# Altium PCB 11BRANMB10H3_20171027.pcbdoc (part 2 of 7)
Units mm, origin at the board's own origin, x right, y up, seen from the top; angles counter-clockwise.
Board outline 91.65 x 48.25 mm, 6 copper layers (TOP, GND1, Singal, POWER, GND2, BOTTOM), stack 0.8 mm thick; 370 components, 289 nets, 1421 pads, 963 vias.
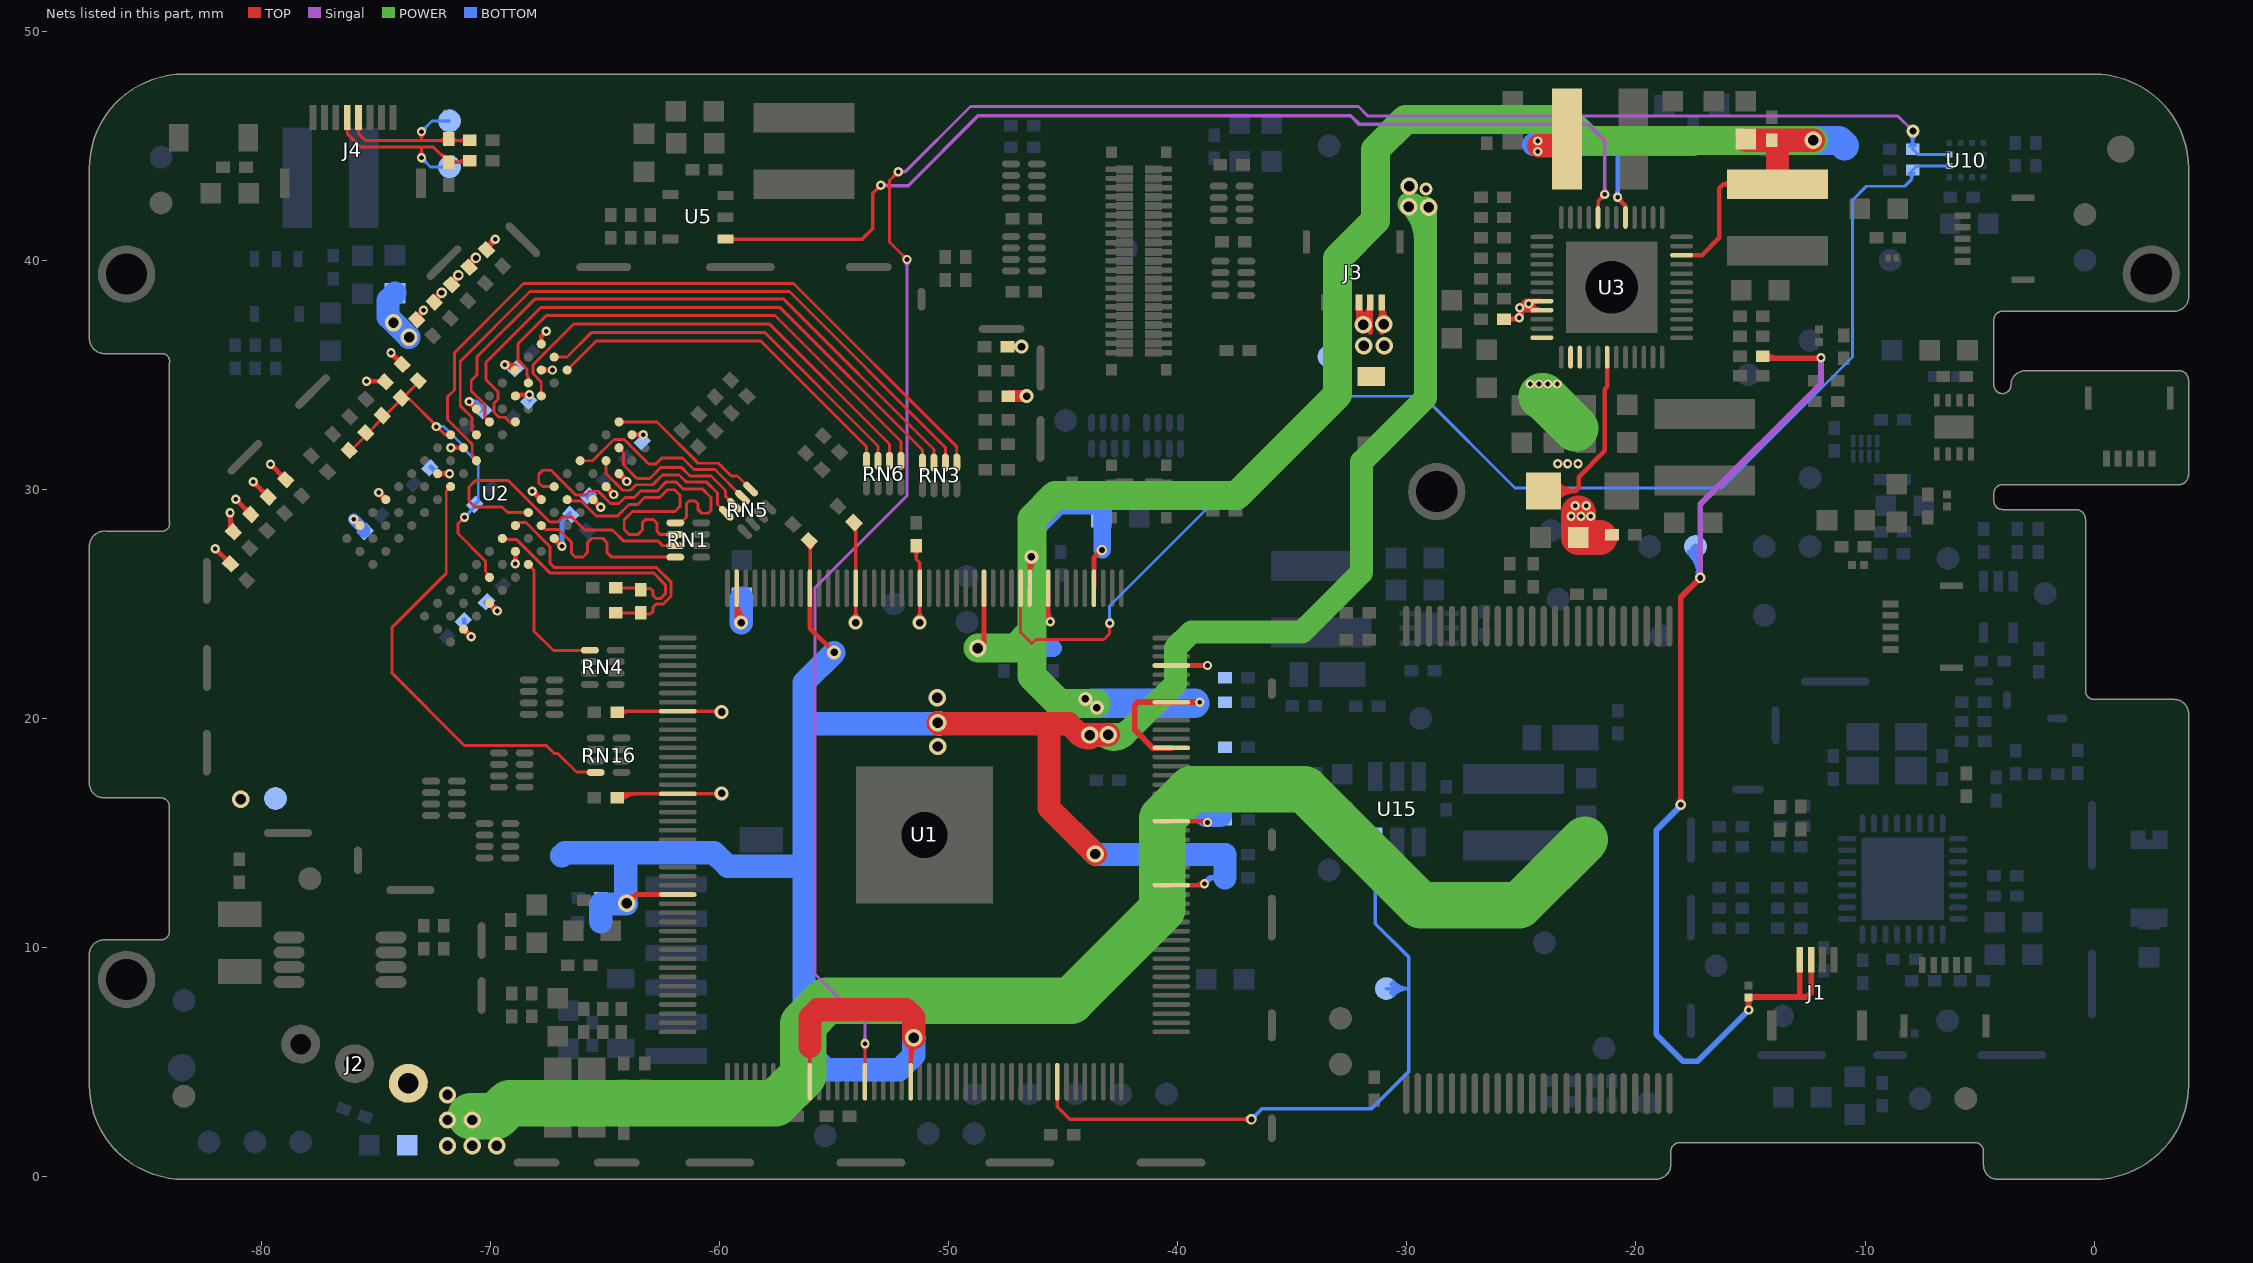
[diagram p6: the nets of this part, all layers, seen from the top]

## Via types
v1: diameter 0.406, hole 0.203, TOP to BOTTOM, tented both sides, 429 vias
v2: diameter 0.457, hole 0.254, TOP to BOTTOM, tented both sides, 256 vias
v3: diameter 0.559, hole 0.305, TOP to BOTTOM, tented both sides, 186 vias
v4: diameter 0.762, hole 0.457, TOP to BOTTOM, tented both sides, 69 vias
v5: diameter 0.61, hole 0.33, TOP to BOTTOM, tented both sides, 11 vias
v6: diameter 0.5, hole 0.2, TOP to BOTTOM, 9 vias
v7: diameter 0.559, hole 0.051, TOP to BOTTOM, tented both sides, 2 vias
v8: diameter 0.508, hole 0.254, TOP to BOTTOM, tented both sides, 1 vias

## Nets (pads, with @x,y where several pads share a name; then routed paths per layer and width w, separated by ;. In a path a pad name is that pad's centre, name@x,y a point inside that pad or via, vN(x,y) a via of type N, cw(c..) or ccw(c..) an arc to the next point about the centre after c; other vN are vias at no path point) (continued)
BAT: C41.2 C42.2 C45.1 J2.1 R11.1 TP10.1 U3.38 U3.39 U3.42 | length 77.5
  TOP w0.203: R11.1@-24.164,29.929 R11.1@-24.037,29.929 -22.632,29.929 ; R11.1@-23.687,29.638 cw(c-23.066,29.12) -23.066,29.929 cw(c-23.066,30.738) R11.1@-23.687,30.22 ; R11.1@-23.531,29.508 cw(c-22.632,28.759) -22.632,29.929 ; R11.1@-23.531,30.35 ccw(c-22.632,31.099) -22.632,29.929 ; U3.42@-21.257,35.769 -21.257,34.478 -21.362,34.373 -21.362,31.675 -22.505,30.532 -22.505,30.056 -22.632,29.929
  TOP w0.508: R11.1@-24.037,29.417 R11.1@-24.037,29.929
  TOP w1.524: v1@-22.502,28.977 -22.502,27.913 C45.1@-22.518,27.897 -21.565,27.897
  POWER w2.032: v4@-70.866,2.624 -69.774,2.624 -69.198,3.2 -57.565,3.2 -56.349,4.416 -56.349,6.665 -55.335,7.679 -44.665,7.679 -40.675,11.668 -40.675,15.645 -39.422,16.898 -34.461,16.898 -29.393,11.83 -25.101,11.83 -22.236,14.694 ; -24.105,34.069 -24.054,34.069 -22.648,32.663
  other v1: -22.833,28.829 -22.401,28.829 -21.97,28.829 -22.655,29.286 -22.173,29.286 -23.417,31.115 -22.986,31.115 -22.528,31.115 -24.613,34.595 -24.232,34.595 -23.849,34.595 -23.443,34.595
  other v4: -71.89,1.346 -70.81,1.346 -69.731,1.346 -71.89,2.464 -70.81,2.464 -71.89,3.556
BOOST_EN: R190.1 TP14.1 U1.125 U15.3 | length 35
  TOP w0.127: U1.125@-45.265,4.013 U1.125@-45.265,4.133
  TOP w0.152: U1.125@-45.265,4.013 -45.265,3.045 -44.716,2.497 -36.799,2.497 v2(-36.791,2.489) ; -37.178,2.497 cw(c-37.178,2.102) v2@-36.899,2.381 ; -37.14,2.497 ccw(c-37.14,2.838) v2@-36.899,2.597
  BOTTOM w0.152: v2(-36.791,2.489) -36.315,2.965 -31.535,2.965 -29.922,4.579 -29.922,8.204 ; v2@-36.791,2.642 ccw(c-36.791,3.01) -36.531,2.749 ccw(c-36.271,2.489) v2@-36.639,2.489 ; U15.3@-31.55,14.119 cw(c-31.962,13.708) -31.38,13.708 cw(c-30.797,13.708) U15.3@-31.209,14.119 ; R190.1@-31.52,13.106 cw(c-31.859,12.767) -31.38,12.767 ; R190.1@-31.52,13.352 ccw(c-31.859,13.691) -31.38,13.691 ; -31.38,12.852 cw(c-31.019,12.852) R190.1@-31.274,13.106 ; -31.38,13.606 ccw(c-31.019,13.606) R190.1@-31.274,13.352 ; U15.3@-31.38,14.608 -31.38,11.036 -29.922,9.578 -29.922,8.204 ; TP14.1@-30.896,8.204 -29.922,8.204 ; TP14.1@-30.703,8.387 ccw(c-30.277,8.793) -30.277,8.204 ; TP14.1@-30.701,8.016 cw(c-30.27,7.618) -30.27,8.204 ; TP14.1@-30.593,8.492 ccw(c-29.922,9.131) -29.922,8.204 ; TP14.1@-30.589,7.912 cw(c-29.922,7.296) -29.922,8.204
BUTTON: D2.1 J1.1 J1.2 R22.2 TP31.1 | length 53.3
  TOP w0.254: v2@-18.118,16.302 ccw(c-18.291,16.476) -18.046,16.476 ccw(c-17.801,16.476) v2@-17.974,16.302 ; v2(-18.046,16.231) -18.046,25.283 v2(-17.196,26.132) ; v2@-17.298,26.132 cw(c-17.543,26.132) -17.37,25.959 cw(c-17.196,25.786) v2@-17.196,26.031 ; -15.088,7.481 ccw(c-14.857,7.481) v1@-15.02,7.318 ; D2.1@-15.088,7.812 -15.088,7.278 v1(-15.074,7.264) ; D2.1@-15.088,7.831 -12.548,7.831 -12.35,8.029 J1.2@-12.35,9.35 ; D2.1@-15.074,7.736 D2.1@-15.074,7.824 ; R22.2@-14.461,35.817 -14.364,35.72 v1@-11.942,35.72 ; R22.2@-14.324,35.904 ccw(c-13.881,36.346) -13.881,35.72 ; -12.85,7.879 J1.1@-12.85,9.35 ; -12.15,35.72 ccw(c-12.15,35.964) v1@-11.978,35.792
  Singal w0.254: v2@-17.268,26.204 ccw(c-17.441,26.378) -17.196,26.378 ccw(c-16.951,26.378) v2@-17.124,26.204 ; v2(-17.196,26.132) -17.196,29.348 -11.924,34.62 v1(-11.924,35.738)
  BOTTOM w0.254: -18.255,15.97 ccw(c-18.515,16.231) v2@-18.147,16.231 ; v2@-18.02,16.205 -19.113,15.113 -19.113,6.198 -17.944,5.029 -17.309,5.029 v1(-15.074,7.264) ; TP31.1@-17.662,27.235 cw(c-18.769,26.117) v2@-17.196,26.117 ; TP31.1@-17.484,27.415 cw(c-18.166,26.726) -17.196,26.726 ; TP31.1@-17.4,27.5 -17.196,27.296 v2(-17.196,26.132) ; v2@-17.284,26.183 ccw(c-17.485,26.299) -17.261,26.359 ; v2@-17.268,26.204 ccw(c-17.441,26.378) -17.196,26.378 ccw(c-16.951,26.378) v2@-17.124,26.204 ; -17.266,26.377 ccw(c-17.016,26.444) v2@-17.145,26.22
CAS: RN16.4 U2.K3 | length 19.9
  TOP w0.127: U2.K3@-71.755,30.117 -71.944,29.928 -71.944,26.338 -74.306,23.976 -74.306,21.969 -71.156,18.819 -67.576,18.819 -67.227,18.47 -67.073,18.47 -66.254,17.651 -65.43,17.651 RN16.4@-65.419,17.641
CHGLED: U3.36
CKE: RN4.1 U2.K9 | length 5.8
  TOP w0.127: U2.K9@-68.361,26.722 -68.108,26.47 -68.108,23.801 -67.803,23.496 -67.659,23.353 -67.267,22.96 -66.099,22.96 -66.085,22.973 RN4.1@-65.676,22.973
CORE-VDD: C28.2 C29.2 C30.2 C49.1 C55.1 C56.1 C117.1 L4.2 TP9.1 U1.35 U1.73 U1.98 U1.109 U1.149 U3.17 | length 144.3
  TOP w0.152: C49.1@-56.183,27.603 cw(c-56.497,27.289) -56.053,27.289 ; U1.98@-56.065,4.133 -56.065,5.672 ; U1.35@-56.065,25.683 -56.053,25.694 C49.1@-56.053,27.719 ; -56.053,27.324 cw(c-55.658,27.324) C49.1@-55.937,27.603
  TOP w0.203: v4(-64.057,11.919) -63.668,12.308 ; v4@-64.015,12.195 ccw(c-63.953,12.593) -63.668,12.308 ; v4@-63.781,11.961 cw(c-63.383,12.023) -63.668,12.308 ; U1.73@-61.84,12.308 -63.668,12.308 ; U1.35@-56.065,25.683 -56.065,23.938 v5(-55.007,22.881) ; v4@-51.735,5.855 cw(c-51.903,5.687) -51.665,5.687 ; U1.109@-51.665,4.133 -51.665,5.925 v4(-51.537,6.053) ; -51.665,5.07 cw(c-50.554,5.07) v4@-51.339,5.855 ; -51.665,5.56 cw(c-51.044,5.56) v4@-51.483,5.999 ; U1.149@-40.29,12.708 v1@-38.913,12.708 ; -39.266,12.708 ccw(c-39.266,13.213) v1@-38.909,12.856 ; v1(-20.803,42.756) -20.803,42.715 -20.457,42.369 U3.17@-20.457,41.869 ; v1@-20.701,42.756 ccw(c-20.358,42.756) -20.601,42.513 ; -20.525,42.437 cw(c-20.693,42.269) U3.17@-20.455,42.269
  TOP w1.016: -56.065,5.672 -56.065,6.935 -55.728,7.272 -51.867,7.272 -51.537,6.942 v4(-51.537,6.053) ; v4(-50.477,19.812) -50.435,19.769 -44.766,19.769 -44.282,19.285 v4(-43.039,19.285) ; -45.632,19.706 -45.632,16.099 v4(-43.61,14.078) ; -44.348,19.35 ccw(c-43.852,19.846) v4@-43.852,19.145 ; -24.257,45.002 -23.309,45.002 L4.2@-23.015,45.296
  POWER w1.016: v4(-43.852,19.272) -43.839,19.285 v4(-43.039,19.285) -42.318,19.285 ; v4@-43.1,19.173 ccw(c-42.783,19.75) -42.318,19.284 ; v4@-43.039,19.158 ccw(c-43.039,20.592) -42.025,19.578 ; v4@-29.895,42.466 cw(c-30.064,41.603) -29.185,41.603 ; v4@-29.83,42.431 cw(c-31.387,40.874) -29.185,40.874 ; v4@-29.185,42.27 -29.185,33.993 -31.979,31.199 -31.979,26.373 -34.578,23.774 -39.404,23.774 -40.107,23.071 -40.107,21.495 -42.318,19.285
  BOTTOM w0.203: v1@-20.875,42.828 ccw(c-21.048,43.001) -20.803,43.001 ccw(c-20.558,43.001) v1@-20.731,42.828 ; v1(-20.803,42.756) -20.803,44.912
  BOTTOM w0.254: v1(-38.837,12.784) -38.583,13.038 C28.2@-37.94,13.038 ; C28.2@-38.077,12.951 ccw(c-38.287,12.741) -38.287,13.038 ccw(c-38.287,13.335) C28.2@-38.077,13.125
  BOTTOM w0.508: C29.2@-65.183,12.166 -64.935,11.919 -64.108,11.919 v4(-64.057,11.919) ; -56.074,5.672 -56.074,8.047
  BOTTOM w1.016: TP9.1@-66.9,14 -66.769,14.131 -60.252,14.131 -59.662,13.54 -56.997,13.54 -56.992,13.546 -56.328,13.546 ; C117.1@-65.201,11.121 -65.201,11.895 v4@-64.081,11.895 ; v4@-64.108,11.919 -64.108,14.097 ; v5@-55.01,22.876 -56.328,21.558 -56.328,19.769 ; v4(-51.537,6.053) -51.537,5.291 -52.172,4.656 -55.347,4.656 -56.328,5.637 -56.328,13.546 ; v4(-50.477,19.812) -50.437,19.812 -50.394,19.769 -56.328,19.769 ; v4@-43.577,14.054 C30.2@-37.94,14.054 C28.2@-37.94,13.038 ; -24.472,45.05 C56.1@-17.501,45.05 ; -56.328,13.546 -56.328,19.769
  other v1: -24.294,44.748 -24.294,45.205
  other v3: -29.169,43.117
  other v4: -50.477,18.77 -50.503,20.904 -29.056,42.316 -29.92,42.342 -29.894,43.231
CPU-VDD: C20.2 C21.2 C22.2 C23.2 C24.2 C25.2 C26.2 C27.2 C46.1 C48.1 L2.2 TP8.1 U1.4 U1.9 U1.11 U1.16 U1.156 U1.164 U1.169 U1.173 U3.10 | length 110.7
  TOP w0.203: -48.465,23.333 U1.16@-48.465,25.683 ; v5@-46.54,26.903 cw(c-46.723,26.721) -46.465,26.721 ; U1.11@-46.465,25.683 -46.465,27.047 v5(-46.397,27.047) ; U1.11@-46.465,26.392 cw(c-45.742,26.392) v5@-46.253,26.903 ; -45.665,24.693 ccw(c-45.089,24.693) v1@-45.496,24.286 ; U1.9@-45.665,25.683 -45.665,24.311 v1(-45.568,24.214) ; U1.4@-43.665,25.683 -43.665,27.003 v2(-43.318,27.349) ; v2@-43.445,27.349 cw(c-43.752,27.349) -43.535,27.132 cw(c-43.318,26.916) v2@-43.318,27.222 ; U1.156@-40.29,15.508 v1@-38.767,15.508 ; U1.173@-40.29,22.308 v1@-38.711,22.308 ; -39.092,15.508 cw(c-39.092,15.069) v1@-38.782,15.379 ; -38.958,22.308 ccw(c-38.958,22.557) v1@-38.782,22.381 ; -38.953,22.308 cw(c-38.953,22.067) v1@-38.782,22.237 ; U3.10@-18.007,40.219 -17.117,40.219 -16.358,40.978 -16.358,43.137 -16.178,43.317 ; L2.2@-15.877,43.113 ccw(c-16.178,42.993) -16.178,43.317 ; L2.2@-15.877,43.521 cw(c-16.178,43.641) -16.178,43.317 ; L2.2@-13.818,43.317 -16.178,43.317
  TOP w0.254: U1.164@-40.29,18.708 -41.095,18.708 -41.885,19.498 -41.885,20.581 -41.758,20.708 U1.169@-40.29,20.708 v1(-39.041,20.708)
  TOP w1.016: C46.1@-15.16,45.241 C48.1@-14.072,45.241 -13.818,45.241 ; L2.2@-13.818,43.317 -13.818,45.241 ; v4@-12.262,45.241 -13.818,45.241
  POWER w1.27: v4(-48.735,23.063) -47.1,23.063 -46.371,23.792 ; v5@-43.577,20.646 -45.175,20.646 -46.371,21.842 -46.371,23.792 ; v4(-12.254,45.233) -22.105,45.233 -23.018,46.145 -30.062,46.145 -31.38,44.827 -31.38,41.733 -33.032,40.081 -33.032,34.131 -37.437,29.726 -45.362,29.726 -46.371,28.716 -46.371,23.792
  BOTTOM w0.762: C23.2@-47.6,23.063 C21.2@-46.457,23.063 ; C22.2@-45.441,23.063 C21.2@-46.457,23.063 ; v2@-43.307,27.349 -43.307,29.282 -45.178,29.282 -46.397,28.063 v5(-46.397,27.047) -46.397,23.123 C21.2@-46.457,23.063
  BOTTOM w1.016: -39.256,16.251 -38.761,15.756 C24.2@-38.151,15.756
  BOTTOM w1.27: v5@-43.729,20.658 -39.268,20.658 ; -39.268,20.646 -39.268,20.658 ; -39.256,20.658 -39.268,20.658 ; v4(-12.254,45.233) -11.133,45.233 TP8.1@-10.9,45
  other v1: -38.71,15.451 -38.71,22.309
  other v5: -43.536,20.468 -44.044,20.849
D+: D7.1 J4.5 R158.1 TP53.1 | length 11
  TOP w0.127: J4.5@-75.829,45.769 cw(c-75.977,45.621) -75.768,45.621 cw(c-75.559,45.621) J4.5@-75.707,45.769 ; J4.5@-75.768,46.23 -75.768,45.528 -75.471,45.231 -73.024,45.231 ; v1@-73.122,45.519 cw(c-73.361,45.281) -73.024,45.281 cw(c-72.686,45.281) v1@-72.925,45.519 ; v1(-73.024,45.618) -73.024,45.231 ; -72.314,45.231 ccw(c-72.314,45.711) D7.1@-71.974,45.371 ; -72.272,45.231 cw(c-72.272,44.811) D7.1@-71.974,45.108 ; D7.1@-71.711,45.108 cw(c-71.414,44.811) -71.414,45.231 ; D7.1@-71.711,45.371 ccw(c-71.371,45.711) -71.371,45.231 ; R158.1@-71.102,45.099 ccw(c-71.42,44.781) -71.42,45.231 ccw(c-71.42,45.681) R158.1@-71.102,45.363 ; R158.1@-70.92,45.231 -73.024,45.231
  BOTTOM w0.127: v1(-73.024,45.618) -72.565,46.077 TP53.1@-71.8,46.077 ; v1@-73.024,45.758 ccw(c-73.024,46.095) -72.785,45.857 ccw(c-72.547,45.618) v1@-72.884,45.618
D-: D8.1 J4.4 R157.1 TP52.1 | length 12.2
  TOP w0.127: J4.4@-76.329,45.769 cw(c-76.477,45.621) -76.268,45.621 cw(c-76.059,45.621) J4.4@-76.207,45.769 ; J4.4@-76.268,46.23 -76.268,45.528 -75.692,44.951 -73.024,44.951 ; v1@-73.122,44.574 ccw(c-73.361,44.812) -73.024,44.812 ccw(c-72.686,44.812) v1@-72.925,44.574 ; v1(-73.024,44.475) -73.024,44.951 ; -72.246,44.687 ccw(c-71.843,45.09) D8.1@-71.843,44.519 ; -72.126,44.566 cw(c-72.359,44.333) D8.1@-72.029,44.333 ; D8.1@-71.711,44.151 cw(c-71.392,43.833) -71.392,44.283 cw(c-71.392,44.733) D8.1@-71.711,44.415 ; -71.562,44.283 ccw(c-71.562,44.934) R157.1@-71.102,44.474 ; -71.278,44.283 cw(c-71.278,44.034) R157.1@-71.102,44.21 ; -71.256,44.283 ccw(c-71.256,44.627) R157.1@-71.012,44.384 ; R157.1@-70.92,44.342 -70.979,44.283 D8.1@-71.843,44.283 -72.511,44.951 -73.024,44.951
  BOTTOM w0.127: v1@-73.024,44.335 cw(c-73.024,43.998) -72.785,44.237 cw(c-72.547,44.475) v1@-72.884,44.475 ; v1(-73.024,44.475) -72.626,44.077 TP52.1@-71.8,44.077
DCIN-5V: D5.1 J3.1 J3.2 J3.3 R14.2 TP32.1 U3.32 U3.33 | length 15.4
  TOP w0.203: R14.2@-25.764,37.422 -25.165,37.422 v1(-25.096,37.49) -24.994,37.593 -24.994,38.057 -24.832,38.219 U3.32@-24.107,38.219 ; R14.2@-25.609,37.317 cw(c-25.356,37.064) -25.356,37.422 cw(c-25.356,37.78) R14.2@-25.609,37.527 ; R14.2@-25.506,37.422 ccw(c-25.506,37.9) -25.168,37.562 ccw(c-25.589,37.983) v1@-24.994,37.983 ; v1@-25.127,37.839 cw(c-25.304,37.584) v1@-24.994,37.584 ; v1@-24.997,37.994 ccw(c-24.574,38.416) U3.33@-24.574,37.819 ; v1@-24.988,37.819 U3.33@-24.107,37.819 cw(c-24.107,38.349) v1@-24.594,38.14 ; v1@-24.967,37.922 cw(c-24.575,37.922) v1@-24.852,38.199 ; -24.902,38.113 cw(c-24.731,38.014) v1@-24.641,38.19 ; v1@-24.786,38.075 ccw(c-24.421,38.167) U3.33@-24.521,37.804 ; v1@-24.781,38.06 ccw(c-24.415,38.217) U3.33@-24.415,37.819 ; v1@-24.616,38.028 cw(c-24.154,37.567) U3.32@-24.154,38.219
  TOP w0.254: v4@-32.1,37.083 J3.3@-32.1,38.15 ccw(c-31.084,38.15) v4@-31.745,37.378 ; -32.1,37.598 ccw(c-31.557,37.598) v4(-31.91,37.185) ccw(c-32.208,37.716) -31.6,37.716 ; v4@-32.035,37.407 ccw(c-32.453,38.15) J3.2@-31.6,38.15 -31.6,36.865 ; v4@-31.201,37.39 ccw(c-31.443,37.633) -31.1,37.633 ; v4@-31.1,36.857 J3.1@-31.1,38.15 ; J3.1@-31.1,38.015 ccw(c-30.217,38.015) v4@-30.841,37.39
  other v1: -25.068,37.922 -24.687,38.1
  other v4: -31.885,36.271 -30.996,36.271 -31.021,37.211
DQ0: RN3.4 U2.E3 | length 26.8
  TOP w0.127: U2.E3@-68.927,32.945 -69.182,32.945 -69.383,33.146 -69.644,33.146 -69.858,33.359 -69.858,33.76 -69.693,33.925 -69.693,34.268 -70.216,34.792 -70.216,35.533 -67.803,37.946 -57.38,37.946 -51.155,31.72 RN3.4@-51.155,31.169
DQ1: RN1.1 U2.F7 | length 13.4
  TOP w0.127: U2.F7@-67.23,30.117 -67.747,30.117 -67.905,30.275 -67.905,30.656 -67.727,30.834 -67.371,30.834 -66.289,29.751 -65.849,29.751 -65.684,29.916 -65.306,29.916 -64.776,29.386 -64.4,29.386 -64.146,29.64 -63.739,29.64 -63.46,29.919 -62.749,29.919 -62.342,30.326 -61.911,30.326 -61.606,30.021 -60.768,30.021 -60.387,29.64 -60.387,29.081 -60.514,28.954 -60.793,28.954 -60.945,29.106 -60.945,29.358 -61.072,29.485 -61.354,29.485 -61.453,29.386 -61.453,28.789 -61.707,28.536 RN1.1@-61.942,28.536
DQ2: RN3.3 U2.F2 | length 27.6
  TOP w0.127: U2.F2@-70.058,32.945 -70.263,33.15 -70.258,33.359 -70.258,33.702 -70.851,34.295 -70.851,34.745 -70.597,34.999 -70.597,35.786 -68.083,38.301 -57.212,38.301 -50.654,31.744 RN3.3@-50.654,31.169
DQ3: RN1.2 U2.F8 | length 12.7
  TOP w0.127: U2.F8@-66.664,29.551 -66.611,29.497 -66.061,29.497 -65.39,28.827 -64.476,28.827 -63.968,29.335 -63.587,29.335 -63.282,29.64 -62.622,29.64 -62.28,29.982 -61.973,29.982 -61.733,29.741 -61.733,29.259 -61.961,29.03 -63.816,29.03 -64.171,28.675 -64.171,28.243 -63.964,28.036 -63.566,28.036 -63.384,28.217 -63.384,28.548 -63.257,28.675 -62.902,28.675 -62.749,28.522 -62.749,28.163 -62.622,28.036 RN1.2@-61.942,28.036
DQ4: RN3.1 U2.H3 | length 32.2
  TOP w0.127: U2.H3@-70.624,31.248 -70.624,31.301 -70.808,31.485 -70.808,31.971 -71.032,32.195 -71.885,33.048 -71.885,34.042 -71.588,34.339 -71.588,35.964 -68.565,38.987 -56.78,38.987 -49.654,31.862 RN3.1@-49.654,31.169
DQ5: RN1.4 U2.H8 | length 7.9
  TOP w0.127: U2.H8@-67.795,28.419 -67.619,28.243 -67.022,28.243 -66.483,27.704 -66.483,27.213 -66.318,27.049 -65.975,27.049 -65.785,27.239 -65.785,27.67 -65.594,27.862 -65.111,27.862 -64.933,27.684 -64.933,27.252 -64.717,27.036 RN1.4@-61.942,27.036
DQ6: RN3.2 U2.G2 | length 29.4
  TOP w0.127: U2.G2@-70.624,32.379 -70.824,32.58 -70.824,33.136 -71.334,33.646 -71.334,35.583 -68.286,38.631 -56.958,38.631 -50.155,31.828 RN3.2@-50.155,31.169
DQ7: RN1.3 U2.H7 | length 13.9
  TOP w0.127: U2.H7@-68.361,28.985 -69.257,28.985 -69.505,29.233 -70.699,29.233 -70.953,29.487 -70.953,30.097 -70.674,30.376 -69.226,30.376 -67.422,28.573 -67.067,28.573 -66.855,28.785 -66.465,28.785 -65.898,28.217 -64.679,28.217 -64.197,27.735 -62.691,27.735 -62.492,27.536 RN1.3@-61.942,27.536
DQ8: RN5.2 U2.D7 | length 8.7
  TOP w0.127: U2.D7@-66.098,31.248 -65.557,31.248 -64.626,32.179 -64.25,32.179 -64.17,32.174 -63.108,31.113 -62.792,31.113 -62.538,31.367 -61.631,31.367 -61.123,30.859 -60.211,30.859 RN5.2@-59.009,29.657
DQ9: RN6.2 U2.C3 | length 20.7
  TOP w0.127: U2.C3@-67.795,34.076 -67.795,34.691 -68.161,35.056 -68.161,35.434 -66.386,37.209 -57.821,37.209 -52.593,31.981 RN6.2@-52.593,31.246
DQ10: RN5.4 U2.C8 | length 7.4
  TOP w0.127: U2.C8@-64.967,31.248 -64.967,30.691 -64.236,29.96 -63.902,29.96 -63.663,30.199 -62.93,30.199 -62.499,30.63 -61.784,30.63 -61.479,30.326 -60.59,30.326 -60.106,29.841 -60.106,29.339 RN5.4@-59.716,28.95
DQ11: RN6.1 U2.C2 | length 22.3
  TOP w0.127: U2.C2@-68.361,34.642 -68.361,34.897 -68.415,34.951 -68.415,35.253 -68.819,35.658 -68.819,36.349 -68.523,36.642 -67.575,37.59 -57.593,37.59 -52.093,32.09 RN6.1@-52.093,31.246
DQ12: RN5.1 U2.A7 | length 7
  TOP w0.127: U2.A7@-64.401,32.945 -62.748,32.945 -60.942,31.138 -60.056,31.138 -59.498,30.58 -59.224,30.58 RN5.1@-58.655,30.011
DQ13: RN6.3 U2.A2 | length 17.3
  TOP w0.127: U2.A2@-67.23,35.773 -66.674,35.773 -65.594,36.853 -58.05,36.853 -53.093,31.896 RN6.3@-53.093,31.246
DQ14: RN5.3 U2.B8 | length 7
  TOP w0.127: U2.B8@-64.401,31.813 -64.201,31.613 -64.201,31.097 ; RN5.3@-59.362,29.304 -59.752,29.693 -59.752,29.945 -60.387,30.58 -61.301,30.58 -61.682,30.961 -62.571,30.961 -63.054,30.478 -63.623,30.478 -64.189,31.044 ; -64.201,31.097 -64.189,31.085 -64.189,31.044 ; -64.201,31.097 -64.189,31.044
DQ15: RN6.4 U2.A3 | length 16.1
  TOP w0.127: U2.A3@-66.664,35.207 -65.399,36.472 -58.21,36.472 -53.593,31.856 RN6.4@-53.593,31.246
DRAM-REF: C81.1 C83.2 C95.1 C96.1 R86.1 R90.2 U2.H1 U2.M8 | length 16
  TOP w0.127: C95.1@-76.145,31.657 -75.408,32.393 -75.408,32.419 C83.2@-74.697,33.13 ; C83.2@-74.697,33.181 C83.2@-74.697,33.13 ; R86.1@-73.122,34.705 -73.872,33.956 C81.1@-73.884,33.943 ; U2.H1@-71.755,32.379 -71.991,32.379 v1@-72.363,32.751 ; v1(-71.147,28.786) -71.436,28.497 -71.436,28.065 -70.234,26.863 -70.234,26.415 -70.058,26.239 U2.M8@-70.058,26.156 ; C83.2@-74.697,33.13 -74.672,33.155 C81.1@-73.884,33.943 ; C81.1@-73.884,33.943 -73.554,33.943 v1@-72.426,32.815 ; v1@-72.426,32.815 v1(-72.375,32.739) ; v1@-72.426,32.815 -72.426,32.789 v1(-72.375,32.739) ; v1@-72.426,32.815 v1@-72.363,32.751 ; v1(-72.375,32.739) v1@-72.363,32.751
  BOTTOM w0.127: v1(-72.375,32.739) -72.052,32.739 -71.307,31.994 -71.307,31.904 -70.547,31.144 C96.1@-70.547,29.487 ; C96.1@-70.739,29.193 -70.739,29.295 C96.1@-70.697,29.337 C96.1@-70.547,29.487 ; C96.1@-70.552,29.482 C96.1@-70.547,29.487
  BOTTOM w0.152: v1(-71.147,28.786) C96.1@-70.739,29.193 ; C96.1@-70.697,29.337 C96.1@-70.552,29.482
DRAM-VCC: C33.2 C34.2 C35.2 C36.2 C81.2 C82.1 C85.1 C86.1 C87.1 C88.1 C89.1 C90.1 C91.1 C92.1 C93.1 C94.1 C97.1 C98.1 C99.1 C100.1 C101.1 C102.1 C103.1 C104.1 C105.1 C106.1 C142.2 L13.1 R86.2 R89.2 TP49.1 U1.23 U1.30 U1.43 U1.53 U1.62 U2.A1 U2.A8 U2.B2 U2.C1 U2.C9 U2.D2 U2.D9 U2.E9 U2.F1 U2.G7 U2.H2 U2.H9 U2.K2 U2.K8 U2.N1 U2.N9 U2.R1 U2.R9 | length 102.7
  TOP w0.152: v2@-71.426,39.327 v2(-71.41,39.343) ; C36.2@-64.417,16.535 -64.417,16.569 -64.278,16.708 U1.62@-61.84,16.708 v5@-59.932,16.708 ; C33.2@-64.417,20.274 -64.383,20.308 U1.53@-61.84,20.308 -59.95,20.308 v5(-59.919,20.277) ; C36.2@-64.412,16.52 cw(c-63.959,16.067) -63.959,16.708 ; C36.2@-64.305,16.413 cw(c-63.592,15.699) -63.592,16.708 ; C33.2@-64.304,20.151 cw(c-63.925,19.771) -63.925,20.308 ; C33.2@-64.304,20.396 ccw(c-64.09,20.61) -64.09,20.308 ; v5@-54.229,24.338 ccw(c-54.626,24.735) -54.065,24.735 ; C34.2@-54.228,28.391 cw(c-54.615,28.005) -54.068,28.005 ; C34.2@-54.098,28.507 -54.068,28.477 -54.068,25.68 U1.30@-54.065,25.683 v5@-54.065,24.179 ; v5(-54.068,24.176) v5@-54.068,24.179 ; -54.068,28.185 cw(c-53.776,28.185) C34.2@-53.982,28.391 ; -54.065,24.722 ccw(c-53.522,24.722) v5@-53.906,24.338 ; C35.2@-51.543,27.367 cw(c-51.84,27.07) -51.42,27.07 cw(c-51.001,27.07) C35.2@-51.298,27.367 ; v5@-51.435,24.338 ccw(c-51.825,24.728) -51.274,24.728 ccw(c-50.722,24.728) v5@-51.112,24.338 ; C35.2@-51.42,27.48 -51.42,26.945 -51.274,26.798 v5@-51.274,24.303
  TOP w0.203: v1@-82.027,27.303 cw(c-82.027,27.058) -81.854,27.231 cw(c-81.681,27.405) v1@-81.926,27.405 ; v1(-82.027,27.405) C90.1@-81.407,26.785 ; C90.1@-81.549,26.778 ccw(c-81.907,26.778) -81.654,27.031 ccw(c-81.4,27.284) C90.1@-81.4,26.926 ; v1@-81.454,28.905 cw(c-81.627,28.732) -81.382,28.732 cw(c-81.137,28.732) v1@-81.31,28.905 ; v1@-81.382,28.795 ccw(c-80.653,28.795) C91.1@-81.168,28.279 ; C91.1@-81.342,28.243 C91.1@-81.28,28.182 ; v1@-81.342,28.937 v1(-81.382,28.977) -81.382,28.283 C91.1@-81.238,28.139 ; -81.335,28.618 cw(c-80.942,28.723) v1@-81.294,28.926 ; v1@-81.138,29.462 cw(c-81.138,29.217) -80.965,29.39 cw(c-80.792,29.564) v1@-81.037,29.564 ; v1(-81.138,29.564) C92.1@-80.518,28.944 ; C92.1@-80.66,28.937 ccw(c-81.018,28.937) -80.765,29.19 ccw(c-80.511,29.443) C92.1@-80.511,29.085 ; v1@-80.376,30.224 cw(c-80.376,29.979) -80.203,30.152 cw(c-80.03,30.326) v1@-80.275,30.326 ; v1(-80.376,30.326) C93.1@-79.756,29.706 ; C93.1@-79.898,29.699 ccw(c-80.256,29.699) -80.003,29.952 ccw(c-79.749,30.205) C93.1@-79.749,29.847 ; v1@-79.614,30.986 cw(c-79.614,30.741) -79.441,30.914 cw(c-79.268,31.088) v1@-79.513,31.088 ; v1(-79.614,31.088) C94.1@-78.994,30.468 ; C94.1@-79.136,30.461 ccw(c-79.494,30.461) -79.241,30.714 ccw(c-78.987,30.967) C94.1@-78.987,30.609 ; v1@-76.003,28.597 cw(c-76.044,28.331) U2.R1@-75.811,28.466 ; v1@-75.988,28.596 cw(c-75.988,28.351) -75.814,28.524 cw(c-75.641,28.698) v1@-75.886,28.698 ; v1(-75.988,28.698) -75.715,28.425 U2.R1@-75.715,28.419 ; v1@-75.887,28.712 ccw(c-75.614,28.752) U2.R1@-75.752,28.513 ; v1@-75.887,28.596 cw(c-76.064,28.419) U2.R1@-75.813,28.419 ; v1@-75.874,28.584 ccw(c-75.715,28.743) U2.R1@-75.715,28.518 ; v1(-75.424,34.715) -74.671,34.715 C81.2@-74.651,34.735 ; v1@-75.352,34.643 cw(c-75.179,34.47) -75.179,34.715 cw(c-75.179,34.96) v1@-75.352,34.787 ; v1@-74.916,29.762 cw(c-74.994,29.402) U2.N1@-74.675,29.586 ; v1@-74.894,29.76 cw(c-74.894,29.514) -74.721,29.688 cw(c-74.547,29.861) v1@-74.793,29.861 ; v1(-74.894,29.861) U2.N1@-74.584,29.551 ; v1@-74.795,29.883 ccw(c-74.434,29.962) U2.N1@-74.619,29.642 ; U2.N1@-74.682,29.551 ccw(c-74.92,29.551) -74.752,29.719 ccw(c-74.584,29.887) U2.N1@-74.584,29.649 ; v1@-74.386,35.869 cw(c-74.508,35.414) R86.2@-74.1,35.65 ; v1@-74.36,35.866 cw(c-74.36,35.621) -74.186,35.794 cw(c-74.013,35.967) v1@-74.258,35.967 ; v1(-74.36,35.967) -73.914,35.522 R86.2@-73.914,35.497 ; v1@-74.358,35.866 cw(c-74.355,35.641) -74.16,35.753 ; -74.179,35.786 cw(c-74.475,35.49) R86.2@-74.056,35.49 ; -74.117,35.725 ccw(c-73.907,35.935) R86.2@-73.907,35.638 ; C102.1@-73.279,37.473 v1(-72.934,37.819) ; C102.1@-73.272,37.594 ccw(c-73.272,37.868) -73.079,37.674 ; C102.1@-73.228,37.588 ccw(c-73.437,37.95) v1@-73.033,37.844 ; C102.1@-73.124,37.446 cw(c-72.681,37.446) v1@-72.994,37.759 ; -73.105,37.659 ccw(c-73.177,37.783) v1@-73.035,37.804 ; C102.1@-73.102,37.571 cw(c-72.825,37.411) v1@-72.908,37.72 ; v1@-73.036,37.819 cw(c-73.281,37.819) -73.108,37.645 cw(c-72.934,37.472) v1@-72.934,37.717 ; C103.1@-72.517,38.215 v2(-72.147,38.581) ; C103.1@-72.509,38.356 ccw(c-72.507,38.68) v2@-72.28,38.449 ; C103.1@-72.45,38.352 ccw(c-72.631,38.67) v2@-72.272,38.604 ; C103.1@-72.362,38.207 cw(c-71.97,38.204) v2@-72.245,38.483 ; C103.1@-72.358,38.291 cw(c-72.06,38.116) v2@-72.124,38.456 ; U2.K2@-72.321,30.682 v1(-71.803,30.682) ; v2@-72.274,38.581 cw(c-72.58,38.583) -72.365,38.365 cw(c-72.15,38.147) v2@-72.148,38.454 ; U2.K2@-72.251,30.613 cw(c-72.083,30.445) -72.083,30.682 cw(c-72.083,30.92) U2.K2@-72.251,30.752 ; v1@-71.875,30.61 ccw(c-72.049,30.437) -72.049,30.682 ccw(c-72.049,30.928) v1@-71.875,30.754 ; v1(-71.751,31.809) U2.H2@-71.19,31.814 ; v1@-71.68,31.882 ccw(c-71.508,32.056) -71.506,31.811 ccw(c-71.504,31.566) v1@-71.679,31.738 ; U2.H2@-71.26,31.883 cw(c-71.429,32.049) -71.427,31.812 cw(c-71.425,31.574) U2.H2@-71.259,31.743 ; U2.R9@-71.19,23.796 cw(c-71.19,23.558) -71.022,23.726 cw(c-70.854,23.894) U2.R9@-71.091,23.894 ; U2.R9@-71.19,23.894 v1(-70.853,23.558) ; U2.R9@-71.159,23.805 cw(c-71.38,23.422) v1@-70.951,23.532 ; U2.R9@-71.101,23.863 ccw(c-70.717,24.085) v1@-70.828,23.656 ; -71.052,23.744 cw(c-71.151,23.574) v1@-70.954,23.563 ; -71.039,23.757 ccw(c-70.869,23.855) v1@-70.859,23.659 ; C105.1@-70.993,39.739 -70.993,39.759 v2(-70.648,40.105) ; C105.1@-70.986,39.88 ccw(c-70.986,40.154) v2@-70.793,39.96 ; v1@-70.966,33.731 cw(c-71.054,33.348) U2.F1@-70.714,33.544 ; v1@-70.955,23.558 ccw(c-71.2,23.558) -71.026,23.731 ccw(c-70.853,23.904) v1@-70.853,23.659 ; v1@-70.943,33.728 cw(c-70.943,33.483) -70.769,33.656 cw(c-70.596,33.83) v1@-70.841,33.83 ; v1(-70.943,33.83) U2.F1@-70.624,33.511 ; C105.1@-70.942,39.874 ccw(c-71.113,40.171) v2@-70.774,40.123 ; v1@-70.931,33.729 cw(c-70.912,33.572) -70.776,33.651 ; v1@-70.844,33.853 ccw(c-70.461,33.942) U2.F1@-70.657,33.601 ; v1@-70.842,33.818 ccw(c-70.685,33.799) -70.764,33.662 ; C105.1@-70.838,39.732 cw(c-70.395,39.732) v2@-70.708,40.045 ; C105.1@-70.829,39.835 cw(c-70.57,39.685) v2@-70.625,39.98 ; -70.794,39.896 ccw(c-70.995,40.012) v2@-70.771,40.072 ; v2@-70.775,40.105 cw(c-71.082,40.105) -70.865,39.888 cw(c-70.648,39.671) v2@-70.648,39.978 ; U2.F1@-70.722,33.51 ccw(c-70.96,33.51) -70.792,33.678 ccw(c-70.624,33.847) U2.F1@-70.624,33.609 ; C106.1@-70.231,40.501 v1(-69.81,40.917) ; C106.1@-70.224,40.642 ccw(c-70.222,40.966) -69.994,40.736 ; C106.1@-70.13,40.658 ccw(c-70.365,41.069) v1@-69.908,40.944 ; C106.1@-70.076,40.493 cw(c-69.684,40.491) -69.96,40.77 ; U2.N9@-70.058,24.927 cw(c-70.058,24.689) -69.89,24.857 ; U2.N9@-70.058,25.025 v1(-69.717,24.684) ; C106.1@-70.047,40.62 cw(c-69.675,40.402) v1@-69.784,40.819 ; U2.N9@-70.029,24.937 cw(c-70.257,24.541) v1@-69.815,24.658 ; -70.028,40.716 ccw(c-70.143,40.917) v1@-69.912,40.917 ; -69.975,40.743 cw(c-69.844,40.667) v1@-69.824,40.817 ; U2.N9@-69.97,24.996 ccw(c-69.574,25.224) v1@-69.691,24.782 ; U2.N9@-69.96,25.025 ccw(c-69.722,25.025) -69.89,24.857 ; -69.922,24.876 cw(c-70.026,24.696) v1@-69.818,24.688 ; v1@-69.912,40.918 cw(c-70.157,40.919) -69.984,40.745 cw(c-69.812,40.571) v1@-69.811,40.816 ; -69.909,24.889 ccw(c-69.728,24.993) v1@-69.72,24.785 ; v1@-69.818,24.684 ccw(c-70.063,24.684) -69.89,24.857 ; v1@-69.717,24.785 cw(c-69.717,25.031) -69.89,24.857 ; v1@-69.412,35.536 cw(c-69.361,35.3) -69.19,35.471 ; v1@-69.369,35.338 cw(c-69.267,34.867) U2.C1@-68.927,35.207 -69.125,35.406 ; v1@-69.34,35.349 cw(c-69.227,35.153) -69.169,35.371 ; v1@-69.309,35.498 ccw(c-69.125,35.637) -69.125,35.406 ; v1@-69.302,35.486 ccw(c-69.081,35.61) -69.147,35.366 ; -69.043,35.406 cw(c-69.043,35.182) U2.C1@-68.824,35.23 ; U2.C1@-69.025,35.207 ccw(c-69.263,35.207) -69.095,35.376 ccw(c-68.927,35.544) U2.C1@-68.927,35.306 ; U2.C1@-69.023,35.186 ccw(c-69.296,35.125) v1@-69.296,35.406 ; v1@-68.999,26.822 ccw(c-69.172,26.995) -68.927,26.995 ccw(c-68.681,26.995) v1@-68.855,26.822 ; U2.K8@-68.996,27.218 cw(c-69.164,27.05) -68.927,27.05 cw(c-68.689,27.05) U2.K8@-68.857,27.218 ; v1(-68.927,26.75) U2.K8@-68.927,27.288 ; U2.D2@-68.927,34.076 -68.876,34.127 v1(-68.31,34.127) ; U2.D2@-68.857,34.007 cw(c-68.567,33.716) -68.567,34.127 ; v1@-68.382,34.055 ccw(c-68.556,33.882) -68.556,34.127 ccw(c-68.556,34.372) v1@-68.382,34.199 ; v1@-68.184,29.818 cw(c-68.184,29.572) -68.011,29.746 cw(c-67.838,29.919) -68.083,29.919 ccw(c-67.846,29.919) -67.964,29.713 ; v1(-68.184,29.919) -67.816,29.551 U2.G7@-67.796,29.551 ; v1@-68.086,29.946 ccw(c-67.625,30.069) U2.G7@-67.864,29.655 ; -67.998,29.733 ccw(c-67.796,29.936) U2.G7@-67.796,29.649 ; -67.949,29.684 cw(c-68.083,29.551) U2.G7@-67.894,29.551 ; U2.A1@-67.865,36.408 ccw(c-68.033,36.576) -67.795,36.576 ccw(c-67.558,36.576) U2.A1@-67.726,36.408 ; U2.B2@-67.796,35.207 v1(-67.308,35.212) ; U2.A1@-67.795,36.339 -67.795,36.684 v1(-67.575,36.904) ; U2.B2@-67.727,35.278 ccw(c-67.56,35.447) -67.558,35.21 ccw(c-67.556,34.972) U2.B2@-67.725,35.139 ; v1@-67.676,36.904 cw(c-67.922,36.904) -67.748,36.731 cw(c-67.575,36.557) v1@-67.575,36.803 ; v1@-67.38,35.283 cw(c-67.555,35.455) -67.553,35.21 cw(c-67.551,34.964) v1@-67.379,35.14 ; U2.H9@-67.23,27.756 cw(c-67.23,27.518) -67.062,27.686 ; U2.H9@-67.23,27.854 v1(-66.888,27.512) ; U2.H9@-67.2,27.766 cw(c-67.429,27.37) v1@-66.987,27.486 ; U2.H9@-67.142,27.824 ccw(c-66.745,28.053) v1@-66.862,27.611 ; U2.H9@-67.131,27.854 ccw(c-66.894,27.854) -67.062,27.686 ; -67.093,27.704 cw(c-67.197,27.524) v1@-66.99,27.516 ; -67.08,27.718 ccw(c-66.9,27.822) v1@-66.892,27.614 ; v1@-66.99,27.512 ccw(c-67.235,27.512) -67.062,27.686 ; v1@-66.888,27.614 cw(c-66.888,27.859) -67.062,27.686 ; U2.E9@-65.533,29.452 cw(c-65.533,29.215) -65.365,29.383 cw(c-65.197,29.551) U2.E9@-65.434,29.551 ; U2.E9@-65.533,29.551 v1(-65.195,29.214) ; U2.E9@-65.502,29.462 cw(c-65.725,29.077) v1@-65.294,29.188 ; U2.E9@-65.444,29.52 ccw(c-65.059,29.743) v1@-65.17,29.312 ; -65.396,29.401 cw(c-65.495,29.229) v1@-65.297,29.219 ; -65.383,29.414 ccw(c-65.211,29.513) v1@-65.201,29.315 ; v1@-65.297,29.214 ccw(c-65.542,29.214) -65.369,29.387 ccw(c-65.195,29.56) v1@-65.195,29.315 ; U2.D9@-64.967,30.018 cw(c-64.967,29.781) -64.799,29.948 ; U2.D9@-64.967,30.117 v1(-64.626,29.775) ; U2.D9@-64.937,30.028 cw(c-65.166,29.632) v1@-64.724,29.749 ; U2.D9@-64.879,30.087 ccw(c-64.483,30.315) v1@-64.6,29.873 ; U2.D9@-64.869,30.117 ccw(c-64.631,30.116) -64.799,29.948 ; -64.831,29.967 cw(c-64.935,29.787) v1@-64.727,29.779 ; -64.817,29.98 ccw(c-64.637,30.084) v1@-64.63,29.876 ; v1@-64.727,29.775 ccw(c-64.973,29.775) -64.799,29.948 ; v1@-64.626,29.877 cw(c-64.626,30.122) -64.799,29.948 ; U2.C9@-64.401,30.584 cw(c-64.401,30.346) -64.233,30.514 cw(c-64.065,30.682) U2.C9@-64.303,30.682 ; U2.C9@-64.401,30.682 v1(-64.06,30.341) ; U2.C9@-64.372,30.594 cw(c-64.601,30.198) v1@-64.158,30.315 ; U2.C9@-64.313,30.652 ccw(c-63.917,30.881) v1@-64.034,30.439 ; -64.265,30.533 cw(c-64.369,30.352) v1@-64.161,30.344 ; -64.252,30.546 ccw(c-64.072,30.65) v1@-64.064,30.442 ; v1@-64.161,30.341 ccw(c-64.407,30.341) -64.233,30.514 ccw(c-64.06,30.687) v1@-64.06,30.442 ; U2.A8@-63.835,32.379 v1(-63.348,32.379) ; U2.A8@-63.766,32.31 cw(c-63.598,32.142) -63.598,32.379 cw(c-63.598,32.617) U2.A8@-63.766,32.449 ; v1@-63.42,32.307 ccw(c-63.593,32.134) -63.593,32.379 ccw(c-63.593,32.624) v1@-63.42,32.451 ; -59.265,24.657 ccw(c-58.586,24.657) v5(-59.066,24.176) -59.265,24.375 U1.43@-59.265,25.683 ; U1.43@-59.265,25.147 ccw(c-58.095,25.147) v5@-58.922,24.32 ; R89.2@-47.382,36.227 v5@-46.662,36.227 ; R89.2@-47.323,36.227 cw(c-47.323,35.729) v5@-46.971,36.081 ; R89.2@-47.312,36.227 ccw(c-47.312,36.71) v5@-46.971,36.369 ; R89.2@-47.288,36.122 cw(c-47.034,35.869) -47.034,36.227 cw(c-47.034,36.586) R89.2@-47.288,36.332 ; v1@-69.296,35.406 -69.125,35.406 ; v1@-69.296,35.406 v1(-69.391,35.437) -69.327,35.437 v1@-69.296,35.406
  TOP w0.254: C104.1@-71.755,38.977 -71.426,39.306 v2@-71.426,39.327 ; C104.1@-71.748,39.093 ccw(c-71.748,39.355) -71.563,39.169 ; C104.1@-71.717,39.08 ccw(c-71.935,39.457) v2@-71.51,39.364 ; C104.1@-71.625,38.97 cw(c-71.294,38.97) v2@-71.528,39.204 ; C104.1@-71.601,39.078 cw(c-71.291,38.899) v2@-71.384,39.244 ; C104.1@-71.599,39.148 ccw(c-71.69,39.304) v2@-71.511,39.329 ; C104.1@-71.598,39.134 ccw(c-71.807,39.343) v2@-71.512,39.343
  TOP w0.508: C82.1@-47.346,34.071 v5(-46.606,34.071)
  BOTTOM w0.203: C89.1@-72.614,30.975 -72.321,30.682 v1(-71.803,30.682) ; v1@-71.875,30.61 ccw(c-72.049,30.437) -72.049,30.682 ccw(c-72.049,30.928) v1@-71.875,30.754 ; C98.1@-71.158,24.303 -71.158,23.971 -71.213,23.917 v1(-70.853,23.558) ; v1@-70.955,23.558 ccw(c-71.2,23.558) -71.026,23.731 ccw(c-70.853,23.904) v1@-70.853,23.659 ; v1(-70.943,33.83) -70.64,33.83 C99.1@-70.276,33.465 ; v1@-70.871,33.758 cw(c-70.698,33.584) -70.698,33.83 cw(c-70.698,34.075) v1@-70.871,33.901 ; -70.546,33.735 cw(c-70.824,33.458) C99.1@-70.431,33.458 ; -70.512,33.701 ccw(c-70.283,33.93) C99.1@-70.283,33.606 ; C97.1@-70.228,25.048 C97.1@-70.146,25.048 ; C97.1@-70.151,24.977 cw(c-70.151,24.638) -69.911,24.878 ; C97.1@-70.146,25.048 -70.081,25.048 v1(-69.717,24.684) ; C97.1@-70.042,24.954 cw(c-70.286,24.531) v1@-69.815,24.657 ; C97.1@-70.002,25.126 ccw(c-69.625,25.126) -69.892,24.859 ; C97.1@-69.972,24.998 ccw(c-69.57,25.23) v1@-69.69,24.782 ; v1@-69.818,24.684 ccw(c-70.063,24.684) -69.89,24.857 ccw(c-69.717,25.031) v1@-69.717,24.785 ; v1(-69.391,35.437) -69.186,35.437 ; v1@-69.371,35.337 cw(c-69.283,34.891) -68.961,35.213 -69.186,35.437 ; v1@-69.31,35.375 cw(c-69.186,35.281) -69.186,35.437 ; v1@-69.31,35.498 ccw(c-69.186,35.593) -69.186,35.437 ; C101.1@-68.371,34.046 cw(c-68.483,33.896) -68.296,33.896 -68.296,34.113 v1(-68.31,34.127) ; C101.1@-68.296,33.916 cw(c-68.099,33.916) C101.1@-68.239,34.055 ; v1@-66.96,27.584 ccw(c-67.134,27.758) -66.888,27.758 ccw(c-66.643,27.758) v1@-66.816,27.584 ; v1(-66.888,27.512) -66.888,28.604 C88.1@-66.549,28.943 ; C85.1@-65.786,29.676 -65.734,29.676 -65.695,29.714 v1(-65.195,29.214) ; C85.1@-65.709,29.605 cw(c-65.709,29.311) -65.5,29.519 ; C85.1@-65.56,29.753 ccw(c-65.138,29.753) -65.437,29.455 ; v1@-65.297,29.214 ccw(c-65.542,29.214) -65.369,29.387 ccw(c-65.195,29.56) v1@-65.195,29.315
  BOTTOM w0.508: v1(-75.988,28.698) -75.524,28.234 C87.1@-75.524,28.118
  BOTTOM w1.016: L13.1@-74.179,38.563 -74.484,38.259 -74.484,37.535 -73.585,36.635 v4(-73.57,36.635) ; v5(-59.066,24.176) -59.066,25.236 C142.2@-59.046,25.256
  other v4: -80.911,16.459 -74.247,37.275
  other v5: -59.919,16.721 -51.274,24.176 -46.827,36.225
DSCK: C109.2 R65.1 U2.J7 | length 11.8
  TOP w0.127: U2.J7@-68.927,28.419 -68.799,28.548 -68.464,28.548 -67.422,27.506 -67.422,26.783 -67.232,26.592 -62.774,26.592 -62.125,25.942 -62.125,25.335 -62.475,24.985 -62.783,24.985 -62.91,24.858 -62.91,24.679 -63.037,24.552 -63.445,24.552 -63.475,24.582 -63.497,24.604 R65.1@-64.485,24.603
DSCK-N: C109.1 R68.1 U2.K7 | length 10.8
  TOP w0.127: U2.K7@-69.492,27.854 -69.438,27.8 -68.863,27.8 -67.401,26.338 -62.88,26.338 -62.379,25.837 -62.379,25.441 -62.58,25.239 -62.783,25.239 -62.91,25.366 -62.91,25.545 -63.037,25.672 -63.445,25.672 -63.469,25.696 R68.1@-64.485,25.696
EXTEN: U3.20 U5.1 | length 47.8
  TOP w0.152: U5.1@-59.752,40.928 -53.775,40.928 -53.326,41.377 -53.326,42.926 v1(-52.971,43.282) ; U5.1@-59.515,40.84 cw(c-59.303,40.629) -59.303,40.928 cw(c-59.303,41.227) U5.1@-59.515,41.016 ; v1@-53.098,43.282 cw(c-53.404,43.282) -53.188,43.065 cw(c-52.971,42.848) v1@-52.971,43.155 ; U3.20@-21.657,41.869 -21.657,42.578 v1(-21.36,42.875) ; v1@-21.487,42.875 cw(c-21.794,42.875) -21.577,42.658 cw(c-21.36,42.441) v1@-21.36,42.748
  Singal w0.152: v1@-52.945,43.256 -51.777,43.256 -48.729,46.304 -32.448,46.304 -32.073,45.929 -22.078,45.929 -21.36,45.212 v1(-21.36,42.875) ; v1@-52.881,43.192 cw(c-52.726,43.036) -52.726,43.256 ; v1@-52.881,43.371 ccw(c-52.603,43.65) -52.603,43.256 ; v1@-21.45,42.965 ccw(c-21.667,43.182) -21.36,43.182 ccw(c-21.053,43.182) v1@-21.27,42.965
G_INT1: R130.2 U1.104 U10.12 | length 96
  TOP w0.127: v1@-53.76,5.7 cw(c-53.99,5.47) -53.665,5.47 ; U1.104@-53.665,4.133 v1@-53.665,5.795 ; -53.665,5.453 cw(c-53.315,5.453) v1@-53.562,5.7 ; v1@-52.349,43.866 cw(c-52.686,43.866) -52.447,43.627 cw(c-52.209,43.389) v1@-52.209,43.726 ; v1(-52.209,43.866) -52.59,43.485 -52.59,40.792 v1(-51.828,40.03) ; v1@-51.968,40.03 ccw(c-52.305,40.03) -52.066,40.269 ccw(c-51.828,40.507) v1@-51.828,40.17
  Singal w0.127: v1@-53.76,5.898 ccw(c-53.998,6.136) -53.661,6.136 ccw(c-53.324,6.136) v1@-53.562,5.898 ; v1(-53.661,5.799) -53.661,6.653 -55.846,8.838 -55.846,25.7 -51.828,29.718 v1(-51.828,40.03) ; v1(-52.209,43.866) -51.904,43.866 ; v1@-52.103,43.775 cw(c-51.904,43.603) -51.904,43.866 ; v1@-52.103,43.957 ccw(c-51.904,44.128) -51.904,43.866 ; v1@-51.927,39.932 cw(c-52.165,39.693) -51.828,39.693 cw(c-51.491,39.693) v1@-51.729,39.932 ; v3(-7.911,45.644) -8.572,46.304 -31.711,46.304 -32.117,46.711 -49.059,46.711 -51.904,43.866
  BOTTOM w0.127: v3@-8.064,45.491 cw(c-8.414,45.141) -7.919,45.141 ; R130.2@-8.051,44.984 ccw(c-8.369,45.302) -7.919,45.302 ccw(c-7.469,45.302) R130.2@-7.787,44.984 ; -7.919,45.104 cw(c-7.372,45.104) v3@-7.759,45.491 ; v3@-7.919,45.636 R130.2@-7.919,44.852 -7.686,44.619 U10.12@-6.324,44.619 ; U10.12@-6.38,44.576 ccw(c-6.485,44.471) -6.485,44.619 ccw(c-6.485,44.768) U10.12@-6.38,44.663
G_INT2: R129.2 U1.12 U10.11 | length 61.5
  TOP w0.127: U1.12@-46.865,25.683 -46.865,23.746 -46.381,23.262 -46.198,23.444 -43.231,23.444 -42.982,23.693 v1(-42.982,24.155) ; v1@-43.08,24.057 cw(c-43.319,23.818) -42.982,23.818 cw(c-42.644,23.818) v1@-42.883,24.057
  BOTTOM w0.127: v1@-43.08,24.254 ccw(c-43.319,24.493) -42.982,24.493 ccw(c-42.644,24.493) v1@-42.883,24.254 ; v1(-42.982,24.155) -42.982,24.9 -33.821,34.061 -29.29,34.061 -25.28,30.052 -16.276,30.052 -10.552,35.776 -10.552,42.622 -9.943,43.231 -8.267,43.231 -7.962,43.536 ; R129.2@-8.086,43.797 cw(c-8.299,43.536) -7.962,43.536 ; R129.2@-7.843,43.804 ccw(c-7.599,43.536) -7.962,43.536 ; U10.11@-6.38,44.076 ccw(c-6.485,43.971) -6.485,44.119 ccw(c-6.485,44.268) U10.11@-6.38,44.163 ; U10.11@-6.324,44.119 -7.742,44.119 R129.2@-7.919,43.942 -7.962,43.899 -7.962,43.536